# Altium PCB NODE.PcbDoc
Units mm, origin at the board's own origin, x right, y up, seen from the top; angles counter-clockwise.
Board outline 51.05 x 59.82 mm, 2 copper layers (Top Layer, Bottom Layer); 73 components, 48 nets, 265 pads, 118 vias.
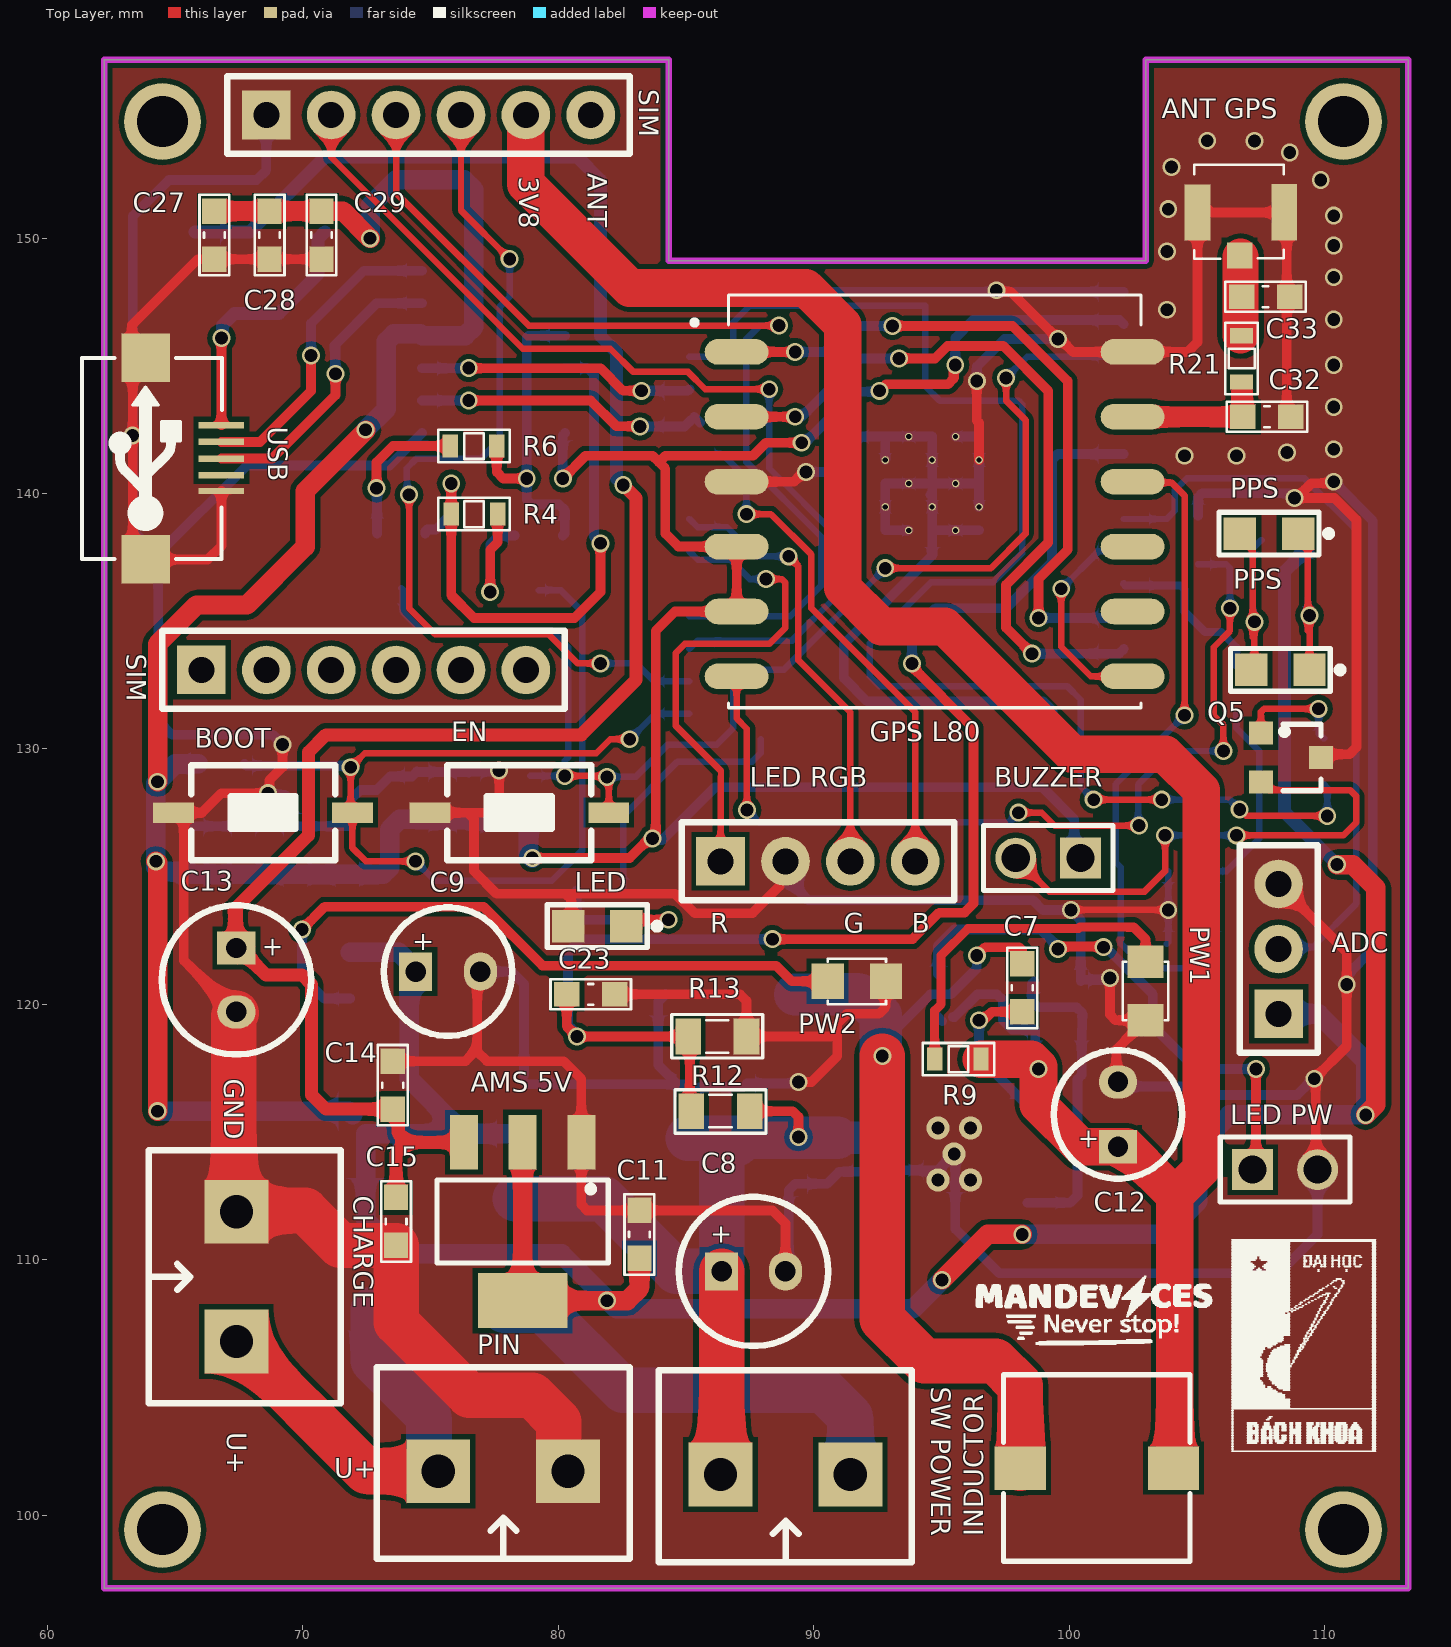
[diagram p0: Top Layer view]
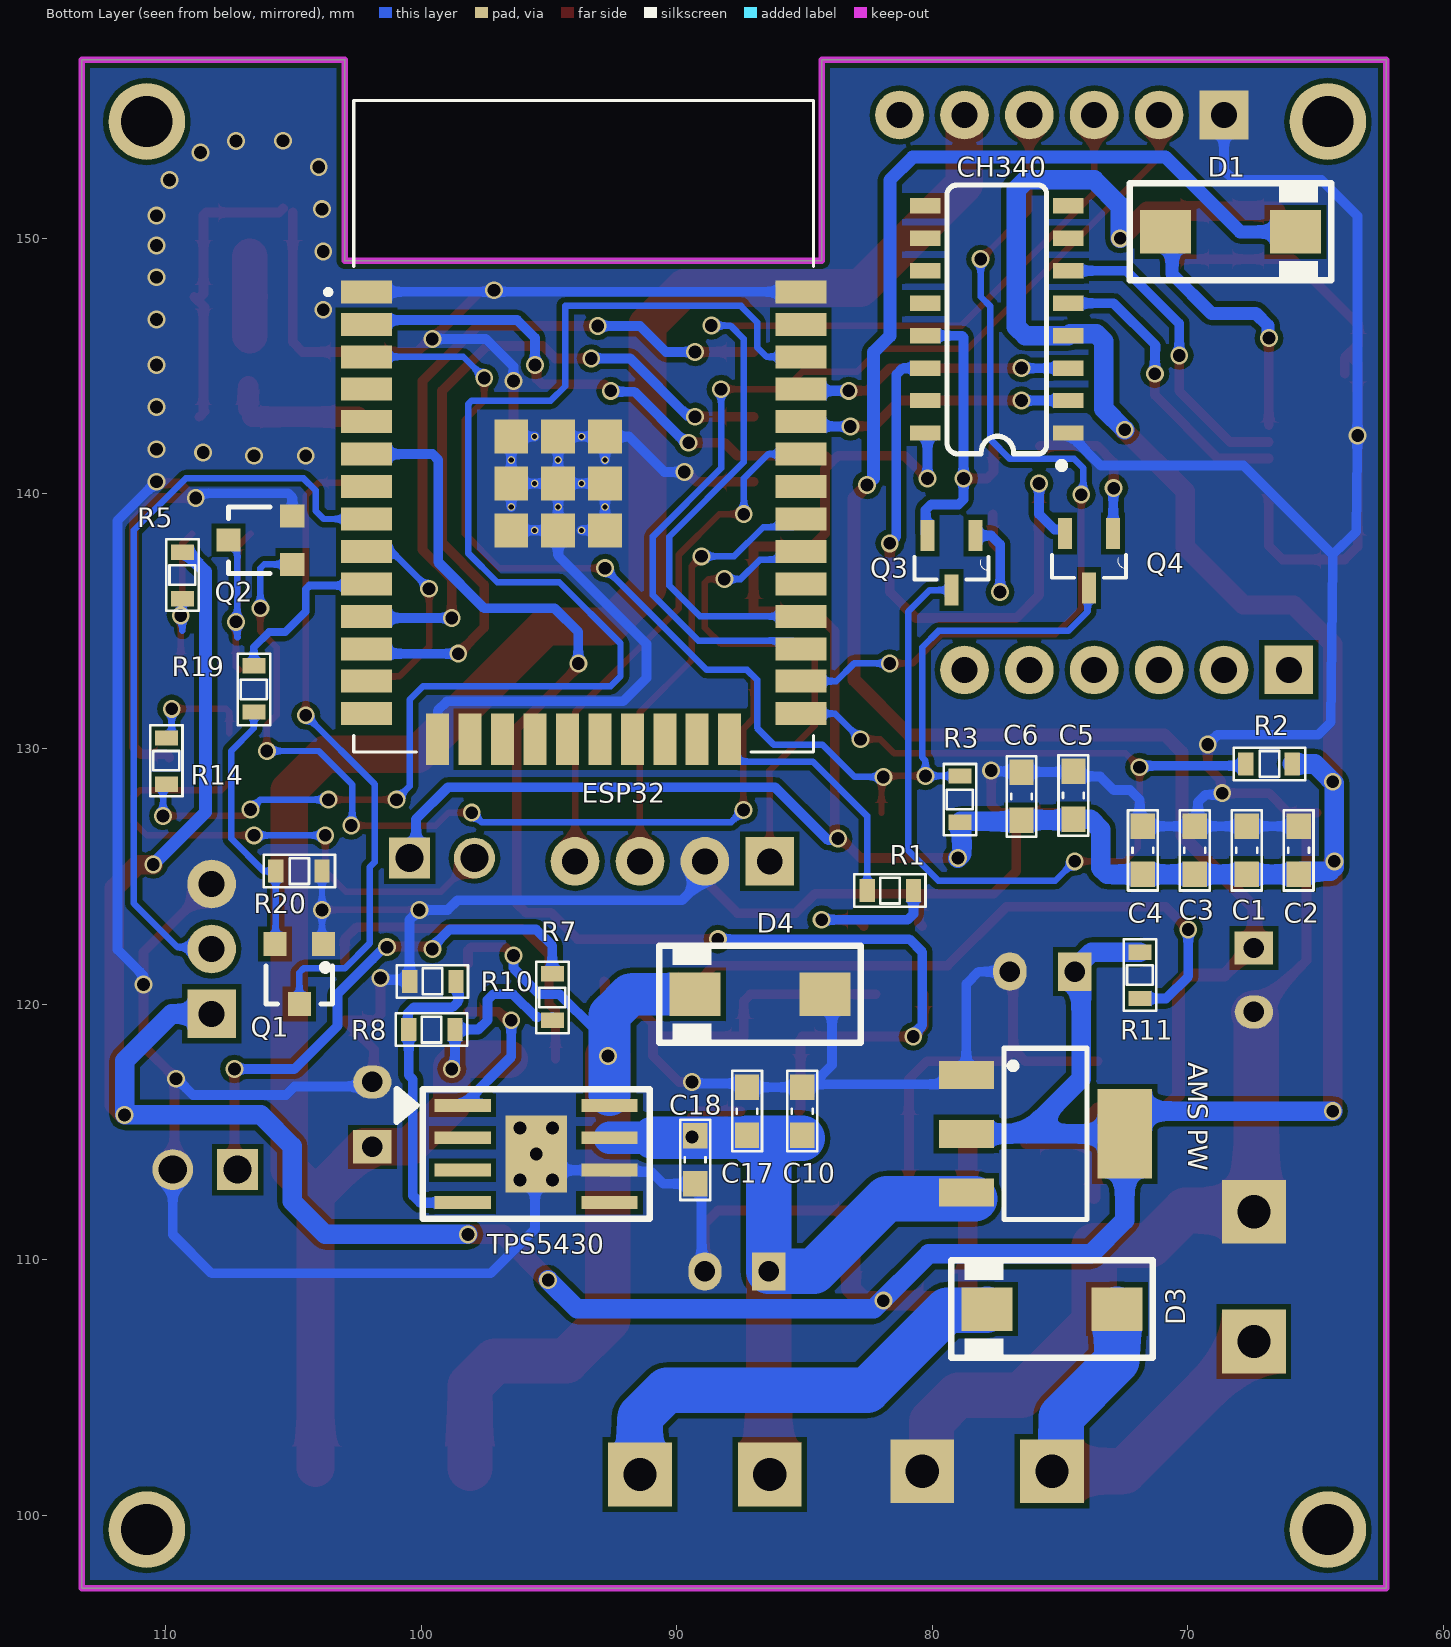
[diagram p1: Bottom Layer view, seen from below]
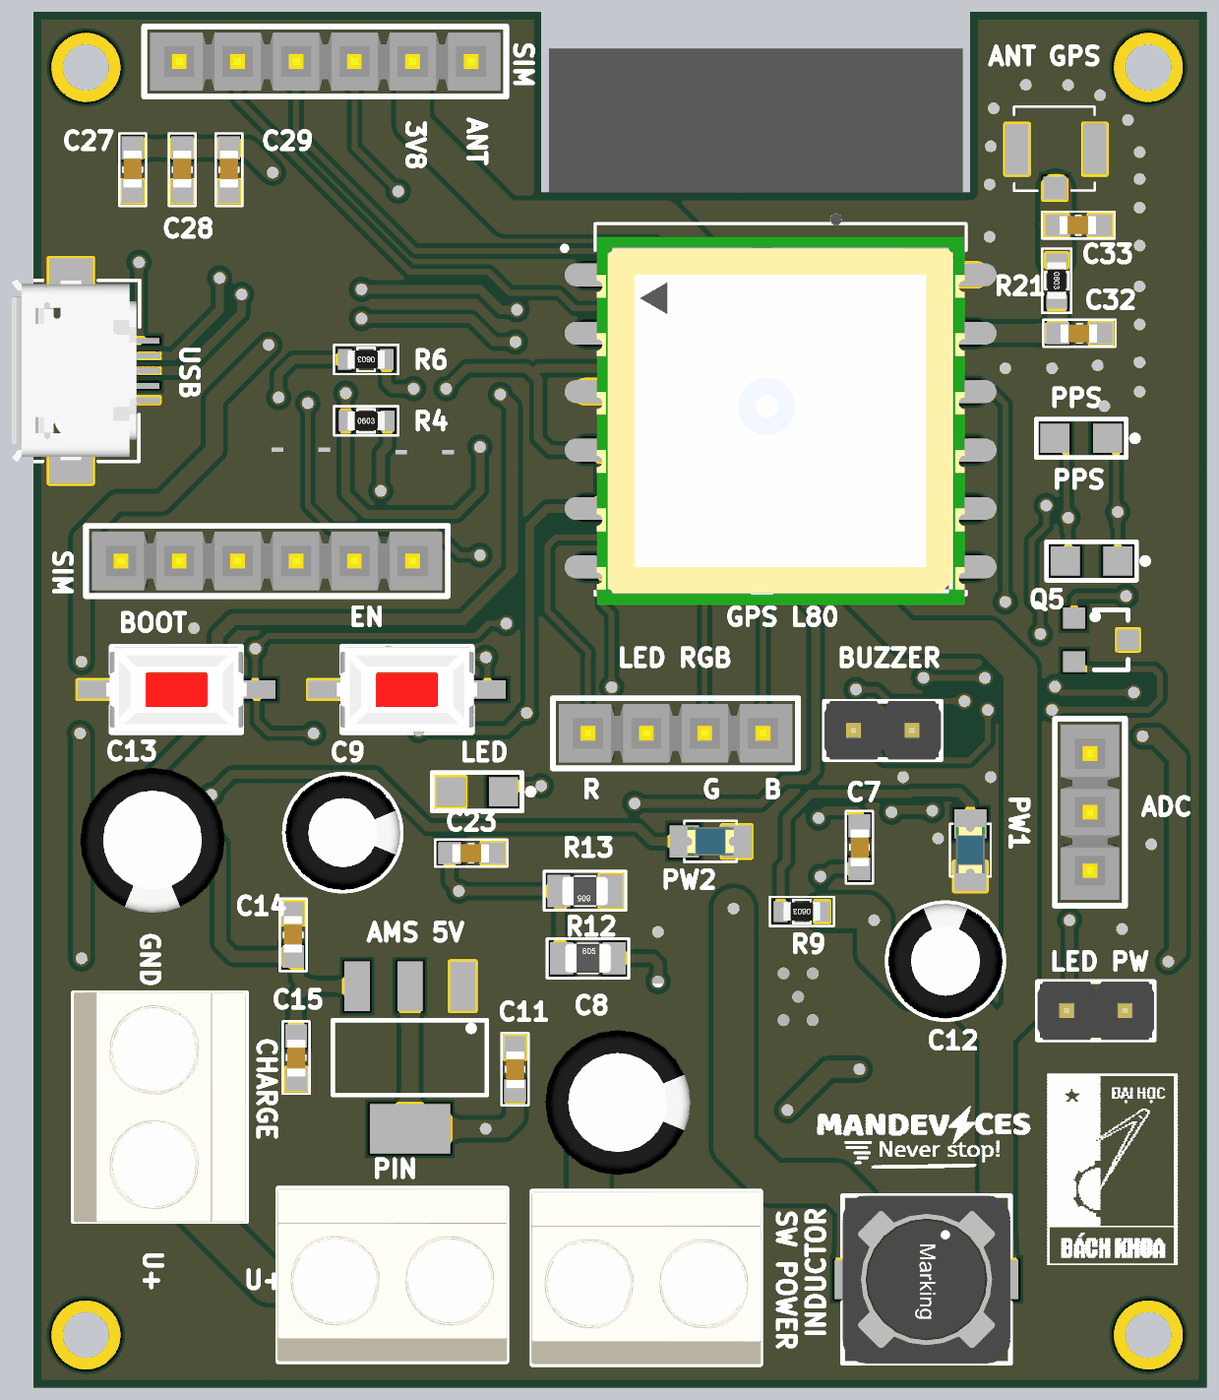
[diagram p2: 3D render of the assembled board from above, using the file's embedded part models]
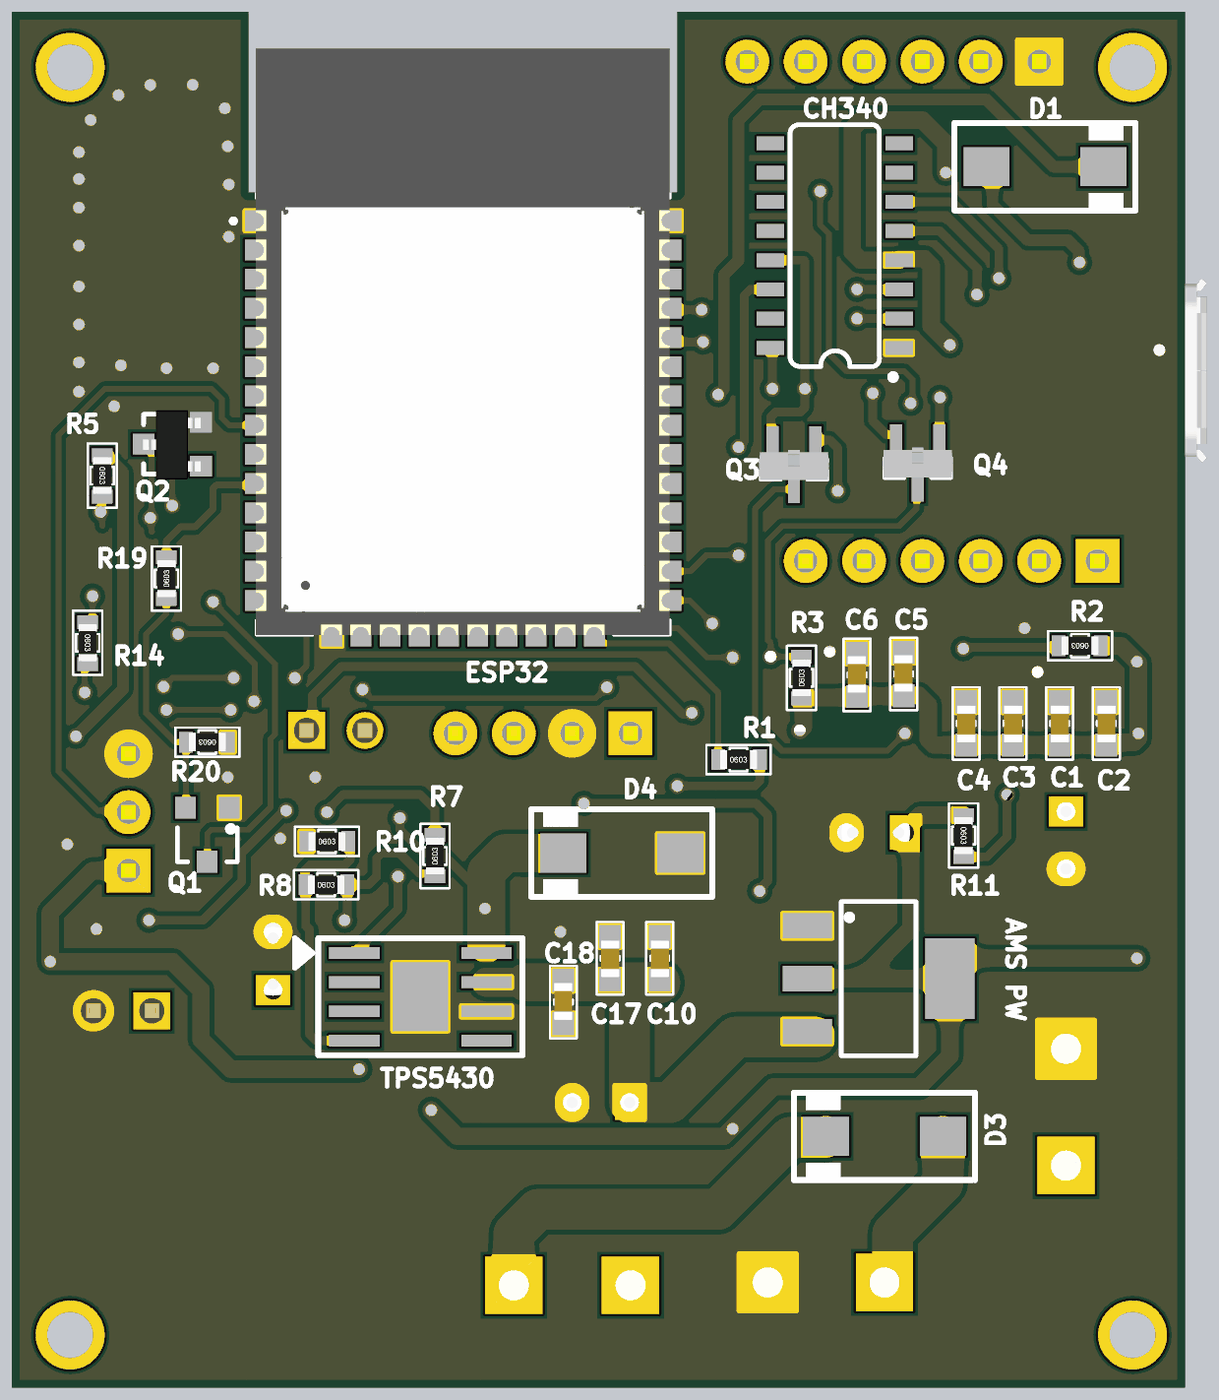
[diagram p3: 3D render of the assembled board from below, using the file's embedded part models]

## Layer stack, top to bottom
Top Solder: solder mask 0.0102, Solder Resist, Dk 3.5
Top Layer: signal copper 0.0356
Dielectric 1: dielectric 0.32, FR-4, Dk 4.8
Bottom Layer: signal copper 0.0356
Bottom Solder: solder mask 0.0102, Solder Resist, Dk 3.5

## Board outline
62.23,97.155 113.284,97.155 113.284,121.315 113.284,156.972 102.997,156.972 102.997,149.117 84.328,149.117 84.328,156.972 62.23,156.972

## Design rules (kind name [scope] priority, off if disabled: settings)
Clearance [All] p1: gap=0.2 ignorepadtopadclearanceinfootprint=TRUE
DiffPairsRouting [All] p1: maxlimit=0.254 minlimit=0.254 mostfreqgap=0.254 toplayer_minwidth=0.381 toplayer_maxwidth=0.381 toplayer_prefwidth=0.381 bottomlayer_minwidth=0.381 bottomlayer_maxwidth=0.381 bottomlayer_prefwidth=0.381 maxuncoupledlength=12.7
PolygonConnect [All] p1: connectstyle=Direct reliefconductorwidth=0.254 reliefentries=4 polygonreliefangle="90 Angle" airgapwidth=0.254
RoutingVias [All] p1: holewidth=0.3 width=0.7 viastyle="Through Hole" minholewidth=0.3 minwidth=0.7 maxholewidth=0.3 maxwidth=0.7
SolderMaskExpansion [All] p1: expansion=0.102
Width [All] p1: maxlimit=1.778 minlimit=0.254 preferedwidth=0.381 minimp=50.000000 maximp=50.000000 favimp=50.000000
29 further rules are at their usual default settings.

## Classes and differential pairs
component class 5.Support: ADC BUZZER "LED RGB" Q5 R14
component class 4.SIM: SIM
component class 3.GPS: "ANT GPS" C27 C28 C29 C32 C33 "GPS L80" PPS Q1 Q2 R5 R19 R20 R21
component class 2.POWER: "AMS 5V" "AMS PW" C7 C8 C9 C10 C11 C12 C13 C14 C15 C17 C18 C23 CHARGE D3 D4 INDUCTOR "LED PW" PIN PW1 PW2 R7 R8 R9 R10 R11 R12 R13 "SW POWER" TPS5430
component class 1.MCU: BOOT C1 C2 C3 C4 C5 C6 CH340 CR D1 EN ESP32 LED Q3 Q4 R1 R2 R3 R4 R6 USB
differential pair D0: +D0_P -D0_N

## Components (designator, comment, footprint, x,y, rotation, side; value= is the part's Value field where it differs from the comment)
ADC "Header 3" "Header 3" 108.204,119.634 r90 top (schematic designator P5)
"AMS 5V" "AMS1117-3.3V" SOT223 78.613,111.506 r180 top value="AMS1117-3.3V SOT223" (schematic designator AMS2)
"AMS PW" "AMS1117-3.3V" SOT223 75.565,114.935 r270 bottom value="AMS1117-3.3V SOT223" (schematic designator AMS1)
"ANT GPS" "IPX" IPXS 106.687,149.73 r270 top (schematic designator P2)
BOOT "SW" SW-SMD 68.453,127.508 r180 top value="SW chip 2 pin" (schematic designator BOOT1)
BUZZER "JP2" JP2-D1T 100.457,125.73 r180 top (schematic designator J6)
C1 "104,0603" CAP_0603 67.691,126.035 r270 bottom value=33p
C2 "104,0603" CAP_0603 65.659,126.035 r270 bottom value=33p
C3 "104,0603" CAP_0603 69.723,126.035 r270 bottom value=33p
C4 "104,0603" CAP_0603 71.755,126.035 r270 bottom value=33p
C5 "1uF" CAP_0603 74.474,128.181 r90 bottom value=33p
C6 "10uF" CAP_0603 76.506,128.143 r90 bottom value=33p
C7 "4.7uF" CAP_0603 98.171,120.65 r270 top value=10nF,0603
C8 "220uF/16V" C8mm 87.65,109.55 r0 top value="Cap 470uF/63V"
C9 "220uF/16V" C5mm 75.692,121.285 r0 top
C10 "33pF" CAP_0603 85.09,115.824 r270 bottom value=4.7uF,0603
C11 "33pF" CAP_0603 83.185,110.998 r270 top value=4.7uF,0603
C12 "220uF" C5mm 101.917,115.697 r90 top
C13 "220uF/16V" C8mm 67.41,120.96 r270 top value="Cap 470uF/63V"
C14 "4.7uF" CAP_0603 73.533,116.84 r90 top value=10uF
C15 "10uF" CAP_0603 73.661,111.506 r270 top
C17 "4.7uF" CAP_0603 87.249,115.824 r270 bottom value=4.7uF,0603
C18 "4.7uF" CAP_0603 89.281,113.919 r90 bottom value=10uF,0603
C23 "100nF,0603" CAP_0603 81.28,120.396 r180 top value=33p
C27 "4.7uF" CAP_0603 66.548,150.114 r90 top value=10uF,0603
C28 "4.7uF" CAP_0603 68.707,150.114 r90 top value=100nF,0603
C29 "4.7uF" CAP_0603 70.741,150.114 r90 top value=100nF,0603
C32 "106" CAP_0603 107.747,143.002 r180 top value=33p
C33 "106" CAP_0603 107.696,147.701 r180 top value=33p
CH340 "CH340C" SOP-16 77.476,146.812 r90 bottom (schematic designator U2)
CHARGE "Header2" KF2-5.08 67.41,109.347 r90 top (schematic designator C16)
D1 "M7" SMA 68.326,150.241 r180 bottom value=1N4007
D3 "M7" SMA 75.311,108.077 r0 bottom value=1N4007
D4 "SS34-SMA" SMA 86.741,120.396 r0 bottom
EN "SW" SW-SMD 78.486,127.508 r180 top value="SW chip 2 pin" (schematic designator EN1)
ESP32 "ESP32-WROOM-32" MODULE_ESP32-WROOM-32 93.644,142.632 r180 bottom (schematic designator U1)
"GPS L80" "L80-M39" XCVR_L80-M39 94.742,139.192 r0 top (schematic designator U3)
INDUCTOR "22uH" L-SMD-M-7.3x4.5 101.092,101.854 r90 top value=220uH (schematic designator L1)
LED "LED3" LED0805 81.534,123.063 r180 top (schematic designator LED1)
"LED PW" "JP2" JP2-D1T 107.188,113.538 r0 top (schematic designator J2)
"LED RGB" "Header 4" "Header 4" 86.36,125.603 r0 top (schematic designator P4)
PIN "JP2" KF2-5.08 77.851,101.727 r180 top (schematic designator J4)
PPS "LED3" LED0805 107.823,138.43 r180 top (schematic designator LED5)
PPS "LED3" LED0805 108.271,133.096 r180 top (schematic designator LED4)
PW1 "3V8" LED-0805-Blue 102.997,121.666 r270 top value=Red
PW2 "3V3" LED-0805-Blue 90.551,120.904 r0 top value=Red
Q1 "2SC1815" SOT23 104.775,121.196 r0 bottom value=C1815
Q2 "2SC1815" SOT23-321 106.299,138.176 r90 bottom value=C1815
Q3 "C1815" SOT95P240X97-3N 79.248,137.287 r270 bottom
Q4 "C1815" SOT95P240X97-3N 73.863,137.363 r270 bottom
Q5 "HF" SOT23 108.687,129.667 r270 top value=C9014
R1 "1k" RES-SMD-0603 81.661,124.46 r180 bottom
R2 "10k" RES-SMD-0603 66.802,129.413 r0 bottom
R3 "10k" RES-SMD-0603 78.919,128.016 r90 bottom
R4 "10k" RES-SMD-0603 76.708,139.192 r0 top
R5 "330R,0603" RES-SMD-0603 109.347,136.812 r270 bottom
R6 "10k" RES-SMD-0603 76.708,141.859 r180 top
R7 "1k,0603" RES-SMD-0603 94.869,120.269 r90 bottom value=1k
R8 "10k,0603" RES-SMD-0603 99.606,119.018 r180 bottom value=10k
R9 "1k,0603" RES-SMD-0603 95.669,117.856 r180 top value=1k
R10 "4.7k,0603" RES-SMD-0603 99.568,120.904 r180 bottom value=3.3k
R11 "1k" RES-SMD-0603 71.868,121.158 r270 bottom
R12 "2M7,0805" RES-SMD-0805 86.36,115.824 r0 top
R13 "1M5,0805" RES-SMD-0805 86.233,118.745 r180 top
R14 "1k" RES-SMD-0603 109.982,129.54 r270 bottom
R19 "4k7,0603" RES-SMD-0603 106.553,132.334 r90 bottom
R20 "10k,0603" RES-SMD-0603 104.775,125.222 r0 bottom
R21 "0R,0603" RES-SMD-0603 106.756,145.288 r270 top
SIM "Header 6" "Header 6" 68.58,154.813 r0 top (schematic designator P3)
SIM "Header 6" "Header 6" 66.04,133.096 r0 top (schematic designator P1)
"SW POWER" "JP2" KF2-5.08 88.9,101.6 r180 top (schematic designator J3)
TPS5430 "TPS5430" TPS5430-2 95.504,114.148 r180 bottom (schematic designator U4)
USB "USB-5" USB-M1 66.823,141.368 r90 top (schematic designator J1)

## Footprints (in the part's own frame and the unit in brackets; to place one, negate y for a bottom-side part, rotate by r counter-clockwise, add the part's x,y. Pads: shape width x height; smd on the part's side, far side on the other; paste and mask are expansions set on the pad)
C5mm [mm]
  rect 1.3x1.5 hole 0.8: 1(-1.27,0)
  oval 1.3x1.5 hole 0.8: 2(1.27,0)
  silkscreen extent -2.51,-2.51 2.51,2.51, body extent -2.5,-2.5 2.49,2.5, height 11.01
C8mm [mm]
  rect 1.3x1.5 hole 0.8: 1(-1.25,0)
  oval 1.3x1.5 hole 0.8: 2(1.25,0)
  silkscreen extent -2.92,-2.92 2.92,2.92, body extent -3.15,-3.15 3.13,3.15, height 11.51
CAP_0603 [mm]
  rect 1x0.95 smd mask+0.076: 1(-0.94,0) 2(0.94,0)
  silkscreen extent -1.57,-0.58 1.57,0.58, body extent -0.77,-0.39 0.83,0.41, height 0.9
"Header 3" [mil] "Connector; Header; 3 Position; Solder Pad 35mil"
  rect 75x75 hole 40: 1(0,0)
  round 75 hole 40: 2(100,0) 3(200,0)
  silkscreen extent -60,-60 260,60, body extent -50,-50 250,50, height 83
"Header 4" [mil] "Connector; Header; 4 Position; Solder Pad 35mil"
  rect 75x75 hole 40: 1(0,0)
  round 75 hole 40: 2(100,0) 3(200,0) 4(300,0)
  silkscreen extent -60,-60 360,60, body extent -50,-50 350,50, height 330
"Header 6" [mil] "Connector; Header; 6 Position; Solder Pad 35mil"
  rect 75x75 hole 40: 1(0,0)
  round 75 hole 40: 2(100,0) 3(200,0) 4(300,0) 5(400,0) 6(500,0)
  silkscreen extent -60,-60 560,60, body extent -50,-50 550,50, height 330
IPXS [mm] "SOT 23 _ 1-3-2"
  rect 1x1 smd: 1(0.415,-0.01)
  rect 2.2x1 smd: 2(-1.273,-1.658) 3(-1.278,1.73)
  silkscreen extent -3.13,-1.79 0.53,1.73, body extent -2.83,-1.49 0.31,1.56, height 1.55
JP2-D1T [mm] "2 pins, 1 row, straight, gold plating"
  rect 1.6x1.6 hole 1.1: 1(0,0)
  round 1.6 hole 1.1: 2(2.54,0)
  silkscreen extent -1.27,-1.27 3.81,1.27, body extent -1.27,-1.27 3.81,1.27, height 8.54
KF2-5.08 [mm]
  rect 2.5x2.5 hole 1.3: 1(-2.54,0) 2(2.54,0)
  silkscreen extent -4.95,-4.08 4.95,3.43, body extent -5,-4.07 5,3.43, height 10
L-SMD-M-7.3x4.5 [mm] "WE-PDA SMD Shielded Power Inductor, 7345"
  rect 1.7x2 smd: 1(0,3) 2(0,-3)
  silkscreen extent -3.65,-3.65 3.65,3.65, body extent -3.65,-3.65 3.65,3.65, height 4.05
LED0805 [mil] "Chip Resistor; Body 2.0 x 1.3 mm (LxW typ)"
  rect 50x50 smd: 1(-45,0) 2(45,0)
  silkscreen extent -97,-33 77,33, body extent -60,-25 60,25, height 47
LED-0805-Blue [mil]
  rect 50x55 smd: 1(0,0) 2(90,0)
  silkscreen extent 0,-35 90,35, body extent 5,-25 85,25, height 43
MODULE_ESP32-WROOM-32 [mm]
  rect 2x0.9 smd: 1(-8.5,5.26) 2(-8.5,3.99) 3(-8.5,2.72) 4(-8.5,1.45) 5(-8.5,0.18) 6(-8.5,-1.09) 7(-8.5,-2.36) 8(-8.5,-3.63) 9(-8.5,-4.9) 10(-8.5,-6.17) 11(-8.5,-7.44) 12(-8.5,-8.71) 13(-8.5,-9.98) 14(-8.5,-11.25) 25(8.5,-11.25) 26(8.5,-9.98) 27(8.5,-8.71) 28(8.5,-7.44) 29(8.5,-6.17) 30(8.5,-4.9) 31(8.5,-3.63) 32(8.5,-2.36) 33(8.5,-1.09) 34(8.5,0.18) 35(8.5,1.45) 36(8.5,2.72) 37(8.5,3.99) 38(8.5,5.26)
  rect 0.9x2 smd: 15(-5.715,-12.25) 16(-4.445,-12.25) 17(-3.175,-12.25) 18(-1.905,-12.25) 19(-0.635,-12.25) 20(0.635,-12.25) 21(1.905,-12.25) 22(3.175,-12.25) 23(4.445,-12.25) 24(5.715,-12.25)
  rect 1.33x1.33 smd: 39_1(-2.835,-0.405) 39_2(-1,-0.405) 39_3(0.835,-0.405) 39_4(-2.835,-2.24) 39_5(-1,-2.24) 39_6(0.835,-2.24) 39_7(-2.835,-4.075) 39_8(-1,-4.075) 39_9(0.835,-4.075)
  round 0.3 hole 0.2: 39_10(-1.917,-0.405) 39_11(-0.082,-0.405) 39_12(-2.835,-1.322) 39_13(-1,-1.322) 39_14(0.835,-1.322) 39_15(-1.917,-2.24) 39_16(-0.082,-2.24) 39_17(-2.835,-3.157) 39_18(-1,-3.157) 39_19(0.835,-3.157) 39_20(-1.917,-4.075) 39_21(-0.082,-4.075)
  silkscreen extent -10.1,-12.75 9,12.75, body extent -10.54,-12.75 8.98,12.75, height 3.2
RES-SMD-0603 [mm]
  rect 0.6x0.9 smd: 1(-0.889,0) 2(0.927,0)
  silkscreen extent -1.4,-0.64 1.4,0.64, body extent -0.8,-0.4 0.8,0.4, height 0.43
RES-SMD-0805 [mil]
  rect 39.37x55 smd: 1(-45,0) 2(45,0)
  silkscreen extent -70,-34 70,33, body extent -39,-25 39,25, height 31